# Altium PCB FIT_TDC_ADC.PcbDoc (part 4 of 10)
Units mm, origin at the board's own origin, x right, y up, seen from the top; angles counter-clockwise.
Board outline 89.38 x 69 mm, 8 copper layers (Top Layer, GND1, SIGNAL2, POWER3, POWER4, SIGNAL5, GND6, Bottom Layer), stack 1.028 mm thick; 495 components, 463 nets, 2013 pads, 1239 vias.
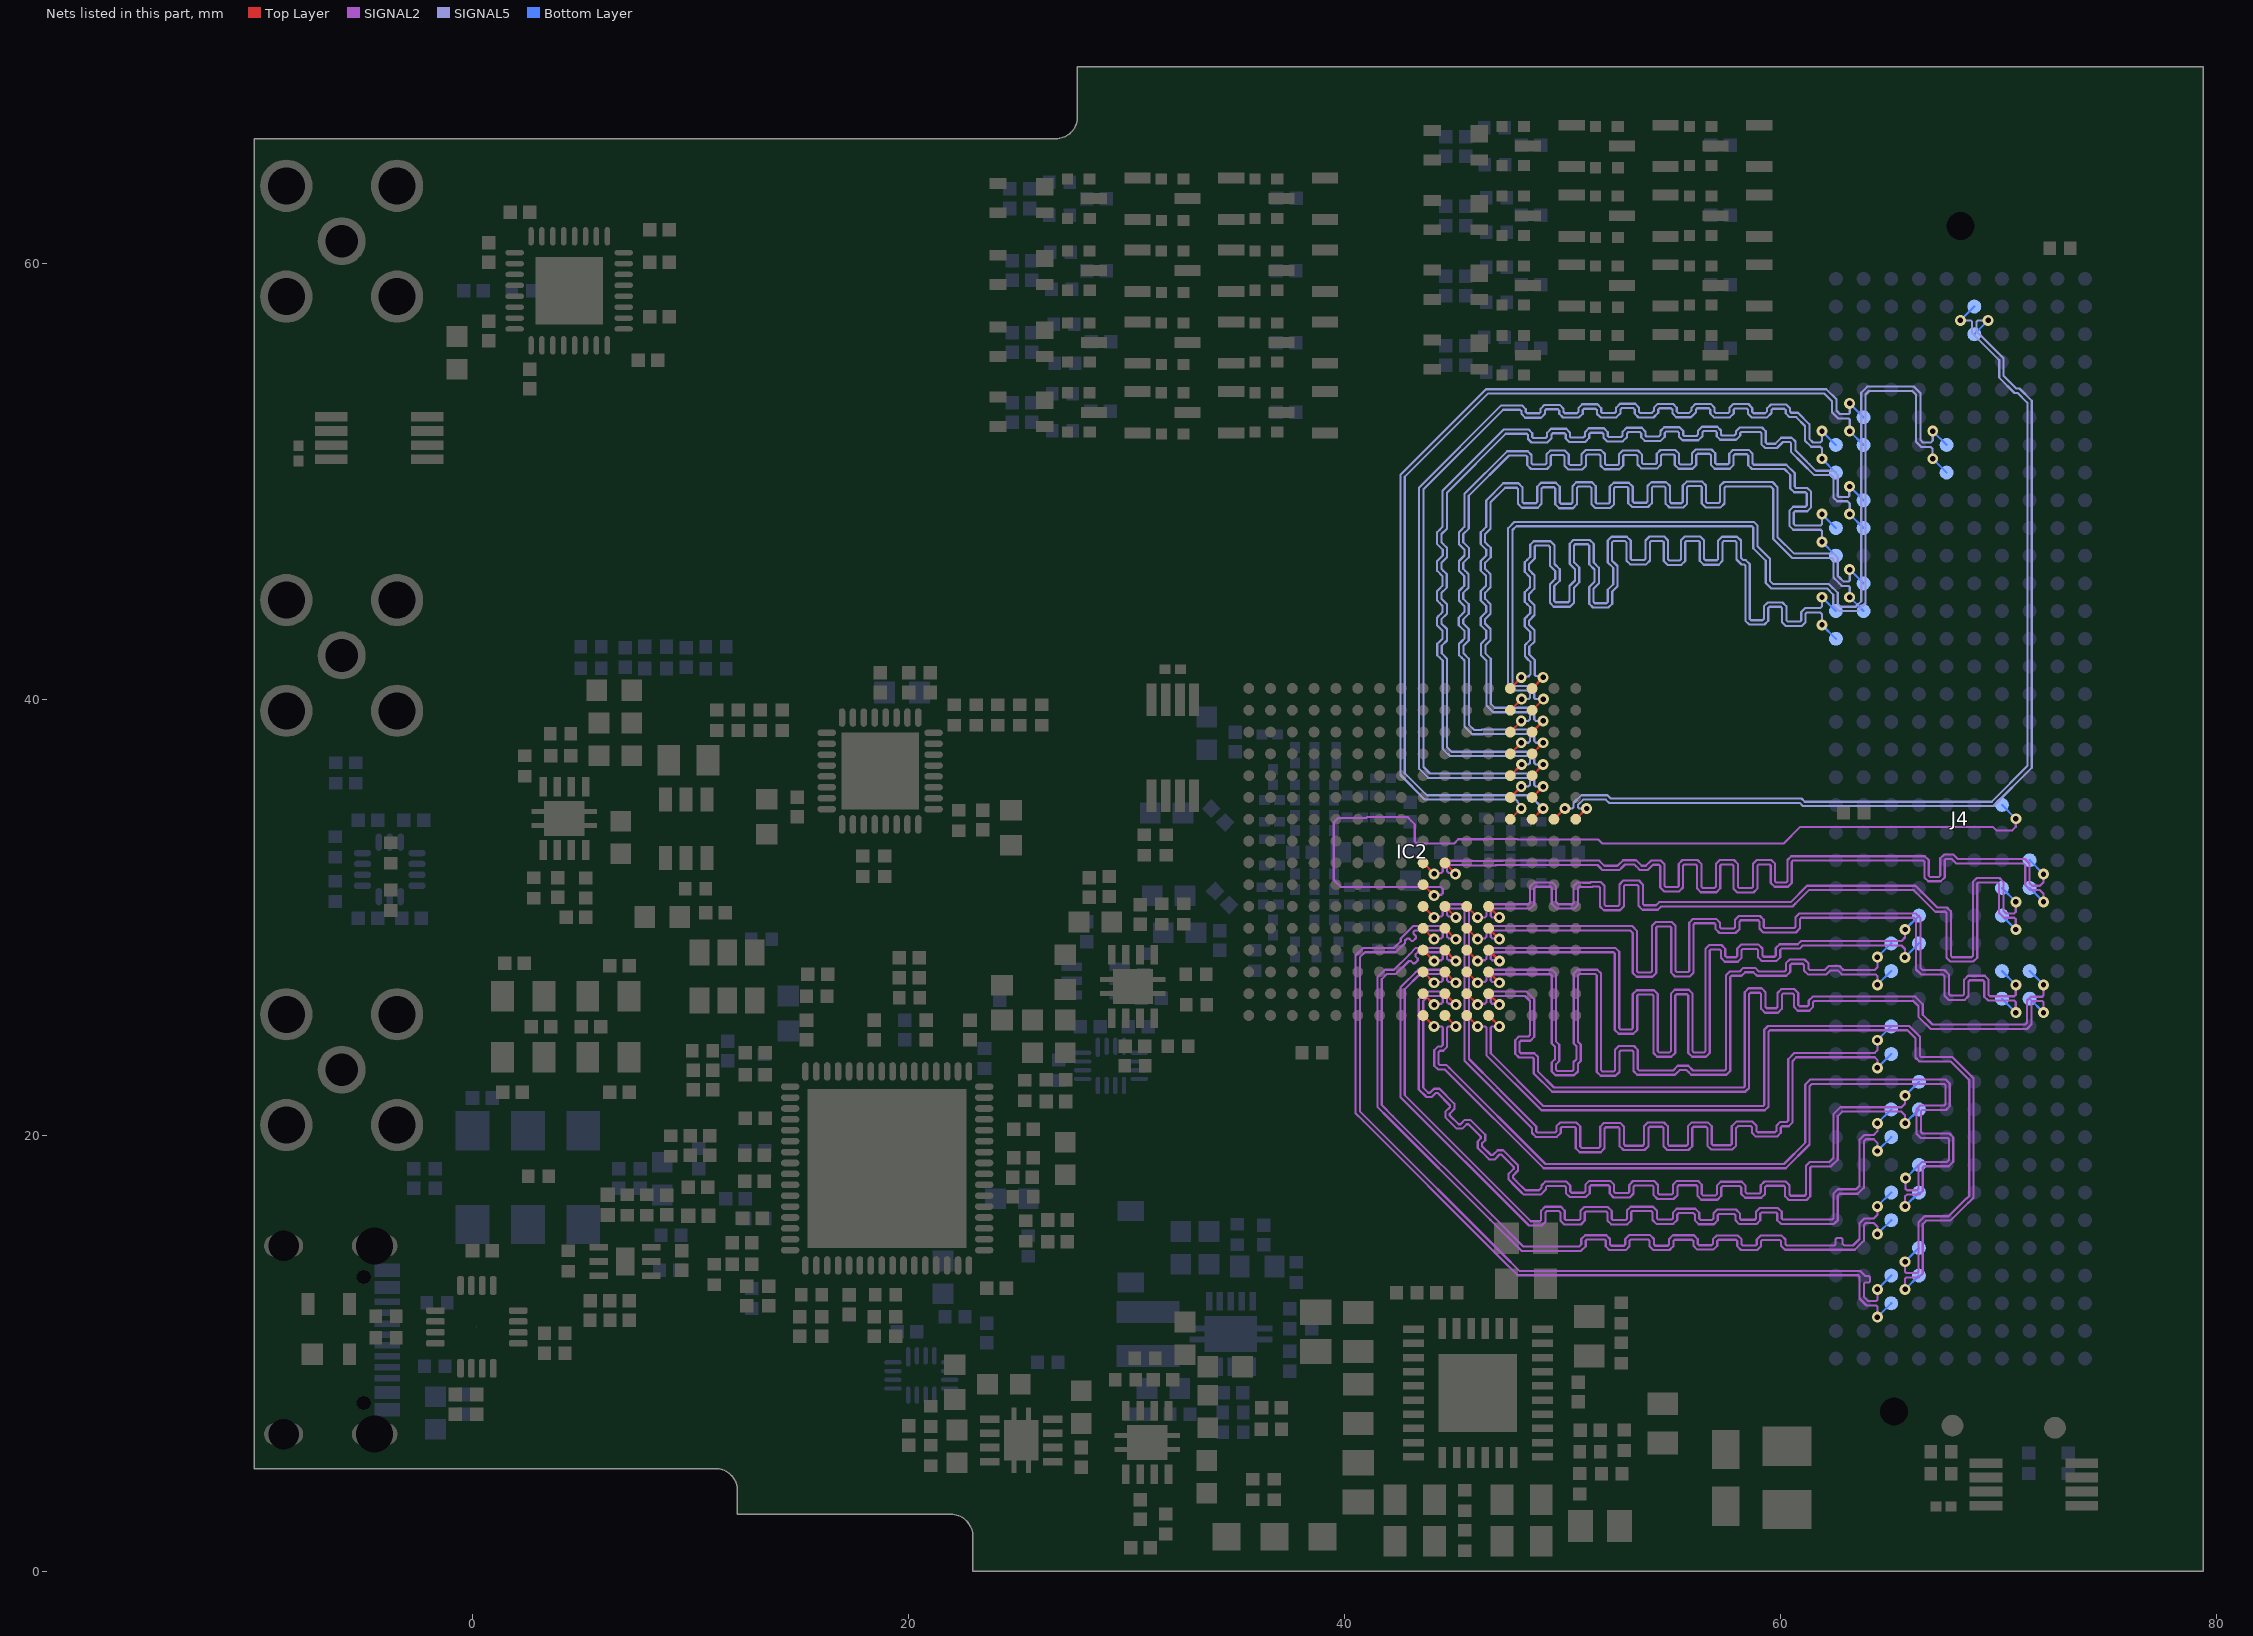
[diagram p10: the nets of this part, all layers, seen from the top]

## Via types
v1: diameter 0.5, hole 0.25, Top Layer to Bottom Layer, tented both sides, 1171 vias
v2: diameter 0.5, hole 0.25, Top Layer to Bottom Layer, tented bottom, 39 vias
v3: diameter 0.5, hole 0.25, Top Layer to Bottom Layer, 29 vias

## Nets (pads, with @x,y where several pads share a name; then routed paths per layer and width w, separated by ;. In a path a pad name is that pad's centre, name@x,y a point inside that pad or via, vN(x,y) a via of type N, cw(c..) or ccw(c..) an arc to the next point about the centre after c; other vN are vias at no path point) (continued)
DB_CLK_P: IC2.K9 J4.d20 | length 43.4
  Top Layer w0.1: IC2.K9@43.604,31.485 v1(44.104,30.985)
  SIGNAL2 w0.1: v1(44.104,30.985) 44.139,31.021 44.434,31.021 44.504,31.091 44.504,31.284 44.41,31.378 43.527,31.378 43.52,31.385 39.821,31.385 39.578,31.628 39.504,31.702 39.504,34.336 39.712,34.544 40.995,34.544 41.036,34.585 42.887,34.585 43.061,34.411 43.22,34.252 43.22,33.477 43.32,33.377 45.028,33.377 45.216,33.566 46.572,33.566 46.591,33.585 47.912,33.585 47.938,33.56 51.633,33.56 51.815,33.377 60.145,33.377 60.904,34.136 69.736,34.136 69.898,33.974 70.626,33.974 70.79,34.138 v1(70.79,34.509)
  Bottom Layer w0.1: J4.d20@70.155,35.144 v1(70.79,34.509)
DB_D0_N: IC2.T10 J4.g34 | length 42.6
  Top Layer w0.1: IC2.T10@44.604,25.485 v1(45.104,24.985)
  SIGNAL2 w0.1: v1(45.104,24.985) 44.762,24.985 44.704,24.927 44.704,24.045 44.528,23.869 44.374,23.869 44.315,23.811 44.315,23.266 44.374,23.207 44.682,23.207 44.799,23.09 49.213,18.676 60.152,18.676 61.13,19.653 61.13,22.323 61.348,22.542 67.585,22.542 67.761,22.366 67.761,21.328 67.585,21.152 66.494,21.152 66.435,21.094 66.435,20.141 66.507,20.069 67.744,20.069 67.92,19.894 67.92,18.775 67.715,18.569 66.58,18.569 66.521,18.511 66.521,17.445 66.345,17.269 65.792,17.269 65.71,17.187 v1(65.71,16.729)
  Bottom Layer w0.1: v1(65.71,16.729) J4.g34@66.345,17.364
DB_D0_P: IC2.T9 J4.g33 | length 42.2
  Top Layer w0.1: IC2.T9@43.604,25.485 v1(44.104,24.985)
  SIGNAL2 w0.1: v1(44.104,24.985) 44.445,24.985 44.504,24.927 44.504,24.128 44.445,24.069 44.291,24.069 44.115,23.894 44.115,23.183 44.291,23.007 44.599,23.007 49.13,18.476 60.235,18.476 61.33,19.571 61.33,22.24 61.431,22.342 67.503,22.342 67.561,22.283 67.561,21.411 67.503,21.352 66.411,21.352 66.235,21.176 66.235,20.058 66.424,19.869 67.661,19.869 67.72,19.811 67.72,18.857 67.632,18.769 66.497,18.769 66.321,18.594 66.321,17.528 66.263,17.469 65.792,17.469 65.734,17.528 v1(65.734,18.025)
  Bottom Layer w0.1: v1(65.734,18.025) 65.735,18.025 J4.g33@66.345,18.634
DB_D1_N: IC2.R10 J4.g31 | length 43.8
  Top Layer w0.1: IC2.R10@44.604,26.485 v1(45.104,25.985)
  SIGNAL2 w0.1: v1(45.104,25.985) 45.068,26.021 44.774,26.021 44.704,26.091 44.704,26.367 44.486,26.585 43.763,26.585 43.646,26.468 43.406,26.228 43.406,22.094 43.755,21.745 44.004,21.745 44.187,21.927 44.269,21.927 44.836,21.36 44.836,21.278 44.625,21.066 44.625,20.818 45.149,20.294 45.397,20.294 45.6,20.497 45.683,20.497 46.25,19.93 46.25,19.847 46.106,19.703 46.106,19.41 46.518,18.999 46.635,18.882 46.883,18.882 47.107,19.105 47.19,19.105 47.757,18.538 47.757,18.456 47.525,18.223 47.525,17.959 47.795,17.688 48.097,17.386 48.214,17.269 49.003,17.269 49.234,17.5 49.234,17.606 49.292,17.665 50.094,17.665 50.153,17.606 50.153,17.332 50.328,17.157 51.069,17.157 51.245,17.332 51.245,17.639 51.303,17.698 52.105,17.698 52.164,17.639 52.164,17.316 52.339,17.14 53.08,17.14 53.256,17.316 53.256,17.631 53.315,17.689 54.116,17.689 54.175,17.631 54.175,17.246 54.351,17.07 55.091,17.07 55.267,17.246 55.267,17.639 55.326,17.698 56.128,17.698 56.186,17.639 56.186,17.209 56.362,17.034 57.103,17.034 57.278,17.209 57.278,17.598 57.337,17.657 58.139,17.657 58.197,17.598 58.197,17.3 58.373,17.124 59.114,17.124 59.29,17.3 59.29,17.615 59.348,17.673 60.15,17.673 60.209,17.615 60.209,17.193 60.384,17.017 61.188,17.017 61.246,17.075 61.363,17.193 61.363,18.504 61.422,18.563 62.313,18.563 62.62,18.869 62.62,20.869 62.825,21.074 65.546,21.074 65.71,20.91 v1(65.71,20.539)
  Bottom Layer w0.1: v1(65.71,20.539) J4.g31@66.345,21.174
DB_D1_P: IC2.R9 J4.g30 | length 42.8
  Top Layer w0.1: IC2.R9@43.604,26.485 v1(44.104,25.985)
  SIGNAL2 w0.1: v1(44.104,25.985) 44.139,26.021 44.434,26.021 44.504,26.091 44.504,26.284 44.403,26.385 43.846,26.385 43.606,26.146 43.606,22.177 43.838,21.945 43.921,21.945 44.104,22.127 44.352,22.127 45.036,21.443 45.036,21.195 44.825,20.983 44.825,20.901 45.232,20.494 45.314,20.494 45.518,20.697 45.766,20.697 46.45,20.013 46.45,19.764 46.306,19.621 46.306,19.493 46.718,19.082 46.8,19.082 47.024,19.305 47.273,19.305 47.957,18.621 47.957,18.373 47.725,18.141 47.725,18.042 47.878,17.888 48.297,17.469 48.92,17.469 49.034,17.583 49.034,17.689 49.209,17.865 50.177,17.865 50.353,17.689 50.353,17.415 50.411,17.357 50.986,17.357 51.045,17.415 51.045,17.722 51.221,17.898 52.188,17.898 52.364,17.722 52.364,17.399 52.422,17.34 52.997,17.34 53.056,17.399 53.056,17.714 53.232,17.889 54.199,17.889 54.375,17.714 54.375,17.328 54.434,17.27 55.009,17.27 55.067,17.328 55.067,17.722 55.243,17.898 56.21,17.898 56.386,17.722 56.386,17.292 56.445,17.234 57.02,17.234 57.078,17.292 57.078,17.681 57.254,17.857 58.222,17.857 58.397,17.681 58.397,17.382 58.456,17.324 59.031,17.324 59.09,17.382 59.09,17.697 59.265,17.873 60.233,17.873 60.409,17.697 60.409,17.275 60.467,17.217 61.105,17.217 61.163,17.275 61.163,18.587 61.339,18.763 62.231,18.763 62.42,18.952 62.42,20.952 62.742,21.274 65.546,21.274 65.71,21.438 v1(65.71,21.809)
  Bottom Layer w0.1: v1(65.71,21.809) J4.g30@66.345,22.444
DB_D2_N: IC2.P10 J4.h32 | length 43.2
  Top Layer w0.1: IC2.P10@44.604,27.485 v1(45.104,26.985)
  SIGNAL2 w0.1: v1(45.104,26.985) 45.068,27.021 44.774,27.021 44.704,27.091 44.704,27.367 44.486,27.585 43.376,27.585 43.259,27.468 42.676,26.885 42.559,26.768 42.559,21.75 42.676,21.633 48.343,15.966 48.46,15.849 49.04,15.849 49.216,16.024 49.216,16.451 49.274,16.51 49.841,16.51 49.9,16.451 49.9,16.078 50.076,15.902 50.845,15.902 51.021,16.078 51.021,16.439 51.079,16.498 51.995,16.498 52.053,16.439 52.053,16.081 52.229,15.905 52.974,15.905 53.149,16.081 53.149,16.457 53.208,16.516 54.067,16.516 54.126,16.457 54.126,16.102 54.302,15.927 55.082,15.927 55.258,16.102 55.258,16.36 55.316,16.419 56.008,16.419 56.067,16.36 56.067,16.087 56.243,15.911 56.943,15.911 57.118,16.087 57.118,16.325 57.177,16.384 57.873,16.384 57.931,16.325 57.931,16.091 58.107,15.916 58.895,15.916 59.071,16.091 59.071,16.396 59.129,16.455 59.791,16.455 59.849,16.396 59.849,16.096 60.025,15.92 62.444,15.92 62.561,16.037 62.62,16.096 62.62,17.221 62.709,17.311 63.544,17.311 63.82,17.586 63.82,19.704 63.92,19.804 64.276,19.804 64.44,19.64 v1(64.44,19.269)
  Bottom Layer w0.1: v1(64.44,19.269) J4.h32@65.075,19.904
DB_D2_P: IC2.P9 J4.h31 | length 42.2
  Top Layer w0.1: IC2.P9@43.604,27.485 v1(44.104,26.985)
  SIGNAL2 w0.1: v1(44.104,26.985) 44.139,27.021 44.434,27.021 44.504,27.091 44.504,27.284 44.403,27.385 43.459,27.385 42.759,26.685 42.759,21.833 48.543,16.049 48.957,16.049 49.016,16.107 49.016,16.534 49.191,16.71 49.924,16.71 50.1,16.534 50.1,16.161 50.159,16.102 50.762,16.102 50.821,16.161 50.821,16.522 50.997,16.698 52.078,16.698 52.253,16.522 52.253,16.163 52.312,16.105 52.891,16.105 52.949,16.163 52.949,16.54 53.125,16.716 54.15,16.716 54.326,16.54 54.326,16.185 54.385,16.127 54.999,16.127 55.058,16.185 55.058,16.443 55.234,16.619 56.091,16.619 56.267,16.443 56.267,16.17 56.326,16.111 56.86,16.111 56.918,16.17 56.918,16.408 57.094,16.584 57.956,16.584 58.131,16.408 58.131,16.174 58.19,16.116 58.812,16.116 58.871,16.174 58.871,16.479 59.046,16.655 59.874,16.655 60.049,16.479 60.049,16.179 60.108,16.12 62.361,16.12 62.42,16.179 62.42,17.304 62.627,17.511 63.461,17.511 63.62,17.669 63.62,19.787 63.837,20.004 64.276,20.004 64.44,20.168 v1(64.44,20.539)
  Bottom Layer w0.1: v1(64.44,20.539) J4.h31@65.075,21.174
DB_D3_N: IC2.N10 J4.h35 | length 42.5
  Top Layer w0.1: IC2.N10@44.604,28.485 v1(45.104,27.985)
  SIGNAL2 w0.1: v1(45.104,27.985) 45.068,28.021 44.774,28.021 44.704,28.091 44.704,28.367 44.486,28.585 43.271,28.585 42.961,28.275 42.269,27.584 41.855,27.584 41.504,27.233 41.504,26.969 41.504,21.298 42.017,20.784 46.685,16.117 48.112,14.689 50.846,14.689 51.06,14.903 51.06,15.15 51.118,15.208 51.92,15.208 51.979,15.15 51.979,14.898 52.155,14.722 52.895,14.722 53.071,14.898 53.071,15.153 53.13,15.211 53.932,15.211 53.99,15.153 53.99,14.901 54.166,14.725 54.907,14.725 55.082,14.901 55.082,15.142 55.141,15.201 55.943,15.201 56.001,15.142 56.001,14.922 56.177,14.747 56.918,14.747 57.094,14.922 57.094,15.137 57.152,15.196 57.954,15.196 58.013,15.137 58.013,14.907 58.188,14.731 58.929,14.731 59.105,14.907 59.105,15.128 59.163,15.187 59.965,15.187 60.024,15.128 60.024,14.911 60.2,14.736 63.406,14.736 63.82,15.149 63.82,15.869 63.92,15.969 64.276,15.969 64.44,15.805 v1(64.44,15.459)
  Bottom Layer w0.1: v1(64.44,15.459) J4.h35@65.075,16.094
DB_D3_P: IC2.N9 J4.h34 | length 42.5
  Top Layer w0.1: IC2.N9@43.604,28.485 v1(44.104,27.985)
  SIGNAL2 w0.1: v1(44.104,27.985) 44.139,28.021 44.434,28.021 44.504,28.091 44.504,28.284 44.403,28.385 43.354,28.385 43.248,28.28 43.248,28.197 43.36,28.086 43.36,28.004 43.233,27.877 43.15,27.877 43.039,27.988 42.956,27.988 42.352,27.384 41.938,27.384 41.704,27.15 41.704,26.886 41.704,21.381 42.217,20.867 46.767,16.317 48.195,14.889 50.763,14.889 50.86,14.986 50.86,15.233 51.036,15.408 52.003,15.408 52.179,15.233 52.179,14.981 52.237,14.922 52.813,14.922 52.871,14.981 52.871,15.235 53.047,15.411 54.014,15.411 54.19,15.235 54.19,14.983 54.249,14.925 54.824,14.925 54.882,14.983 54.882,15.225 55.058,15.401 56.026,15.401 56.201,15.225 56.201,15.005 56.26,14.947 56.835,14.947 56.894,15.005 56.894,15.22 57.069,15.396 58.037,15.396 58.213,15.22 58.213,14.99 58.271,14.931 58.846,14.931 58.905,14.99 58.905,15.211 59.081,15.387 60.048,15.387 60.224,15.211 60.224,14.994 60.282,14.936 62.456,14.936 62.514,14.994 62.514,15.217 62.573,15.275 62.786,15.275 62.844,15.217 62.844,15.011 62.92,14.936 63.323,14.936 63.62,15.232 63.62,15.952 63.837,16.169 64.276,16.169 64.44,16.333 v1(64.44,16.729)
  Bottom Layer w0.1: v1(64.44,16.729) J4.h34@65.075,17.364
DB_D4_N: IC2.M10 J4.h38 | length 43.2
  Top Layer w0.1: IC2.M10@44.604,29.485 v1(45.104,28.984)
  SIGNAL2 w0.1: v1(45.104,28.984) 45.068,29.02 44.774,29.02 44.704,29.089 44.704,29.366 44.486,29.584 43.137,29.584 42.573,29.02 42.573,28.888 42.269,28.584 40.855,28.584 40.504,28.233 40.504,21.002 40.878,20.628 46.737,14.769 47.187,14.319 47.937,13.569 63.561,13.569 63.62,13.511 63.62,12.503 63.939,12.184 64.381,12.184 64.44,12.125 v1(64.44,11.649)
  Bottom Layer w0.1: v1(64.44,11.649) J4.h38@65.075,12.284
DB_D4_P: IC2.M9 J4.h37 | length 43
  Top Layer w0.1: IC2.M9@43.604,29.485 v1(44.104,28.985)
  SIGNAL2 w0.1: v1(44.104,28.985) 44.139,29.02 44.434,29.02 44.504,29.089 44.504,29.283 44.403,29.384 43.22,29.384 43.162,29.326 43.162,29.229 43.273,29.118 43.273,29.035 43.147,28.909 43.064,28.909 42.953,29.02 42.87,29.02 42.773,28.923 42.773,28.805 42.352,28.384 40.938,28.384 40.704,28.15 40.704,21.085 41.22,20.569 47.27,14.519 48.02,13.769 63.644,13.769 63.878,13.535 64.035,13.535 64.094,13.476 64.094,13.298 64.035,13.239 63.878,13.239 63.82,13.181 63.82,12.586 64.022,12.384 64.381,12.384 64.44,12.442 v1(64.44,12.919)
  Bottom Layer w0.1: v1(64.44,12.919) J4.h37@65.075,13.554
DB_D5_N: IC2.L10 J4.h29 | length 42.5
  Top Layer w0.1: IC2.L10@44.604,30.485 v1(45.104,29.985)
  SIGNAL2 w0.1: v1(45.104,29.985) 45.068,30.021 44.774,30.021 44.704,30.091 44.704,30.284 44.805,30.385 45.431,30.385 45.504,30.313 45.504,23.402 46.878,22.028 48.596,20.311 48.596,20.094 48.771,19.918 49.739,19.918 49.915,20.094 49.915,20.315 49.973,20.374 50.548,20.374 50.607,20.315 50.607,19.389 50.783,19.213 51.75,19.213 51.926,19.389 51.926,20.3 51.984,20.358 52.559,20.358 52.618,20.3 52.618,19.489 52.794,19.313 53.761,19.313 53.937,19.489 53.937,20.321 53.996,20.38 54.571,20.38 54.629,20.321 54.629,19.489 54.805,19.313 55.772,19.313 55.948,19.489 55.948,20.324 56.007,20.383 56.582,20.383 56.64,20.324 56.64,19.512 56.816,19.336 57.784,19.336 57.959,19.512 57.959,20.319 58.056,20.416 58.631,20.416 58.69,20.357 58.69,20.105 58.865,19.929 59.833,19.929 60.009,20.105 60.009,20.347 60.067,20.406 60.375,20.406 60.551,20.581 60.551,23.401 60.72,23.569 64.32,23.569 64.44,23.449 v1(64.44,23.079)
  Bottom Layer w0.1: v1(64.44,23.079) J4.h29@65.075,23.714
DB_D5_P: IC2.L9 J4.h28 | length 42.9
  Top Layer w0.1: IC2.L9@43.604,30.485 v1(44.104,29.985)
  SIGNAL2 w0.1: v1(44.104,29.985) 44.139,30.021 44.434,30.021 44.504,30.091 44.504,30.367 44.722,30.585 45.514,30.585 45.704,30.396 45.704,23.485 47.02,22.169 47.22,21.969 48.796,20.394 48.796,20.177 48.854,20.118 49.656,20.118 49.715,20.177 49.715,20.398 49.89,20.574 50.631,20.574 50.807,20.398 50.807,19.471 50.865,19.413 51.667,19.413 51.726,19.471 51.726,20.382 51.901,20.558 52.642,20.558 52.818,20.382 52.818,19.572 52.877,19.513 53.678,19.513 53.737,19.572 53.737,20.404 53.913,20.58 54.653,20.58 54.829,20.404 54.829,19.572 54.888,19.513 55.69,19.513 55.748,19.572 55.748,20.407 55.924,20.583 56.665,20.583 56.84,20.407 56.84,19.594 56.899,19.536 57.701,19.536 57.759,19.594 57.759,20.402 57.973,20.616 58.714,20.616 58.89,20.44 58.89,20.188 58.948,20.129 59.75,20.129 59.809,20.188 59.809,20.43 59.984,20.606 60.293,20.606 60.351,20.664 60.351,23.484 60.637,23.769 64.32,23.769 64.44,23.889 v1(64.44,24.349)
  Bottom Layer w0.1: v1(64.44,24.349) J4.h28@65.075,24.984
DB_D6_N: IC2.T12 J4.g37 | length 43.4
  Top Layer w0.1: IC2.T12@46.604,25.485 v1(47.104,24.985)
  SIGNAL2 w0.1: v1(47.104,24.985) 46.762,24.985 46.704,24.927 46.704,23.749 49.118,21.335 59.192,21.335 59.251,21.393 59.251,24.83 59.309,24.889 59.427,25.006 65.902,25.006 66.388,24.52 66.388,23.638 66.446,23.579 67.879,23.579 68.733,22.725 68.85,22.608 68.85,17.126 68.615,16.891 68.602,16.891 67.785,16.074 66.685,16.074 66.52,15.909 66.52,13.65 66.344,13.474 65.768,13.474 65.71,13.416 v1(65.71,12.921)
  Bottom Layer w0.1: v1(65.71,12.921) 65.712,12.921 J4.g37@66.345,13.554
DB_D6_P: IC2.T11 J4.g36 | length 43
  Top Layer w0.1: IC2.T11@45.604,25.485 v1(46.104,24.985)
  SIGNAL2 w0.1: v1(46.104,24.985) 46.445,24.985 46.504,24.927 46.504,23.666 49.035,21.135 59.275,21.135 59.451,21.31 59.451,24.747 59.509,24.806 65.819,24.806 66.188,24.437 66.188,23.555 66.363,23.379 67.796,23.379 68.65,22.525 68.65,17.209 68.533,17.091 68.519,17.091 67.702,16.274 66.602,16.274 66.32,15.992 66.32,13.733 66.261,13.674 65.768,13.674 65.71,13.733 v1(65.71,14.189)
  Bottom Layer w0.1: v1(65.71,14.189) J4.g36@66.345,14.824
DB_D7_N: IC2.R12 J4.c27 | length 41.8
  Top Layer w0.1: IC2.R12@46.604,26.485 v1(47.104,25.985)
  SIGNAL2 w0.1: v1(47.104,25.985) 47.068,26.021 46.774,26.021 46.704,26.091 46.704,26.284 46.805,26.385 47.633,26.385 47.638,26.38 48.275,26.38 48.504,26.151 48.504,24.586 48.445,24.527 48.002,24.527 47.826,24.351 47.826,23.732 48.002,23.556 48.621,23.556 48.68,23.498 48.68,22.826 49.522,21.984 58.381,21.984 58.439,22.043 58.557,22.16 58.557,26.472 58.615,26.53 59.047,26.53 59.106,26.472 59.106,25.789 59.282,25.613 59.882,25.613 60.058,25.789 60.058,26.434 60.116,26.493 60.555,26.493 60.614,26.434 60.614,25.88 60.789,25.705 61.318,25.705 61.494,25.88 61.494,26.091 61.552,26.149 66.092,26.149 66.32,25.921 66.32,25.431 66.881,24.869 71.303,24.869 71.503,25.07 71.503,26.09 71.562,26.148 72.001,26.148 72.06,26.09 v1(72.06,25.619)
  Bottom Layer w0.1: J4.c27@71.425,26.254 v1(72.06,25.619)
DB_D7_P: IC2.R11 J4.c26 | length 42.2
  Top Layer w0.1: IC2.R11@45.604,26.485 v1(46.104,25.985)
  SIGNAL2 w0.1: v1(46.104,25.985) 46.139,26.021 46.434,26.021 46.504,26.091 46.504,26.367 46.722,26.585 47.716,26.585 47.721,26.58 48.358,26.58 48.704,26.234 48.704,24.503 48.528,24.327 48.085,24.327 48.026,24.268 48.026,23.815 48.085,23.756 48.704,23.756 48.88,23.581 48.88,22.909 49.605,22.184 58.298,22.184 58.357,22.243 58.357,26.554 58.532,26.73 59.13,26.73 59.306,26.554 59.306,25.872 59.364,25.813 59.799,25.813 59.858,25.872 59.858,26.517 60.034,26.693 60.638,26.693 60.814,26.517 60.814,25.963 60.872,25.905 61.235,25.905 61.294,25.963 61.294,26.173 61.469,26.349 66.175,26.349 66.52,26.004 66.52,25.514 66.964,25.069 71.22,25.069 71.303,25.153 71.303,26.173 71.479,26.348 72.001,26.348 72.06,26.407 v1(72.06,26.889)
  Bottom Layer w0.1: J4.c26@71.425,27.524 v1(72.06,26.889)
DB_D8_N: IC2.P12 J4.h26 | length 41.8
  Top Layer w0.1: IC2.P12@46.604,27.485 v1(47.104,26.985)
  SIGNAL2 w0.1: v1(47.104,26.985) 47.068,27.021 46.774,27.021 46.704,27.091 46.704,27.284 46.8,27.38 49.438,27.38 49.504,27.314 49.504,24.202 49.646,24.06 49.646,23.477 49.504,23.335 49.504,23.169 49.504,22.917 49.68,22.741 50.526,22.741 50.704,22.92 50.704,23.267 50.837,23.4 50.837,24.152 50.778,24.211 50.71,24.279 50.71,27.325 50.769,27.383 51.511,27.383 51.57,27.325 51.57,22.895 51.745,22.72 52.431,22.72 52.607,22.895 52.607,23.825 52.666,23.884 53.193,23.884 53.252,23.825 53.252,22.94 53.427,22.765 55.154,22.765 55.271,22.882 55.369,22.98 55.689,22.98 55.787,22.882 55.904,22.765 56.42,22.765 57.518,22.765 57.694,22.94 57.694,27.246 57.752,27.304 58.21,27.304 58.375,27.469 58.751,27.469 58.916,27.304 60.266,27.304 60.441,27.48 60.441,27.796 60.5,27.855 61.018,27.855 61.076,27.796 61.076,27.545 61.135,27.487 61.252,27.37 62.103,27.37 62.287,27.554 62.622,27.554 62.806,27.37 64.36,27.37 64.44,27.29 v1(64.44,26.889)
  Bottom Layer w0.1: v1(64.44,26.889) J4.h26@65.075,27.524
DB_D8_P: IC2.P11 J4.h25 | length 42.3
  Top Layer w0.1: IC2.P11@45.604,27.485 v1(46.104,26.985)
  SIGNAL2 w0.1: v1(46.104,26.985) 46.139,27.021 46.434,27.021 46.504,27.091 46.504,27.367 46.717,27.58 49.52,27.58 49.704,27.397 49.704,24.285 49.846,24.143 49.846,23.395 49.704,23.252 49.704,23 49.762,22.941 50.443,22.941 50.504,23.002 50.504,23.35 50.637,23.482 50.637,24.069 50.51,24.196 50.51,27.407 50.686,27.583 51.594,27.583 51.77,27.407 51.77,22.978 51.828,22.92 52.348,22.92 52.407,22.978 52.407,23.908 52.583,24.084 53.276,24.084 53.452,23.908 53.452,23.023 53.51,22.965 55.071,22.965 55.286,23.18 55.771,23.18 55.987,22.965 57.435,22.965 57.494,23.023 57.494,27.328 57.67,27.504 58.127,27.504 58.292,27.669 58.834,27.669 58.999,27.504 60.183,27.504 60.241,27.563 60.241,27.879 60.417,28.055 61.1,28.055 61.276,27.879 61.276,27.628 61.335,27.57 62.02,27.57 62.204,27.754 62.705,27.754 62.763,27.695 62.889,27.57 64.325,27.57 64.44,27.685 v1(64.44,28.159)